# Altium PCB CABLE_JIG_TEST_PCB.PcbDoc (part 1 of 4) (continued)
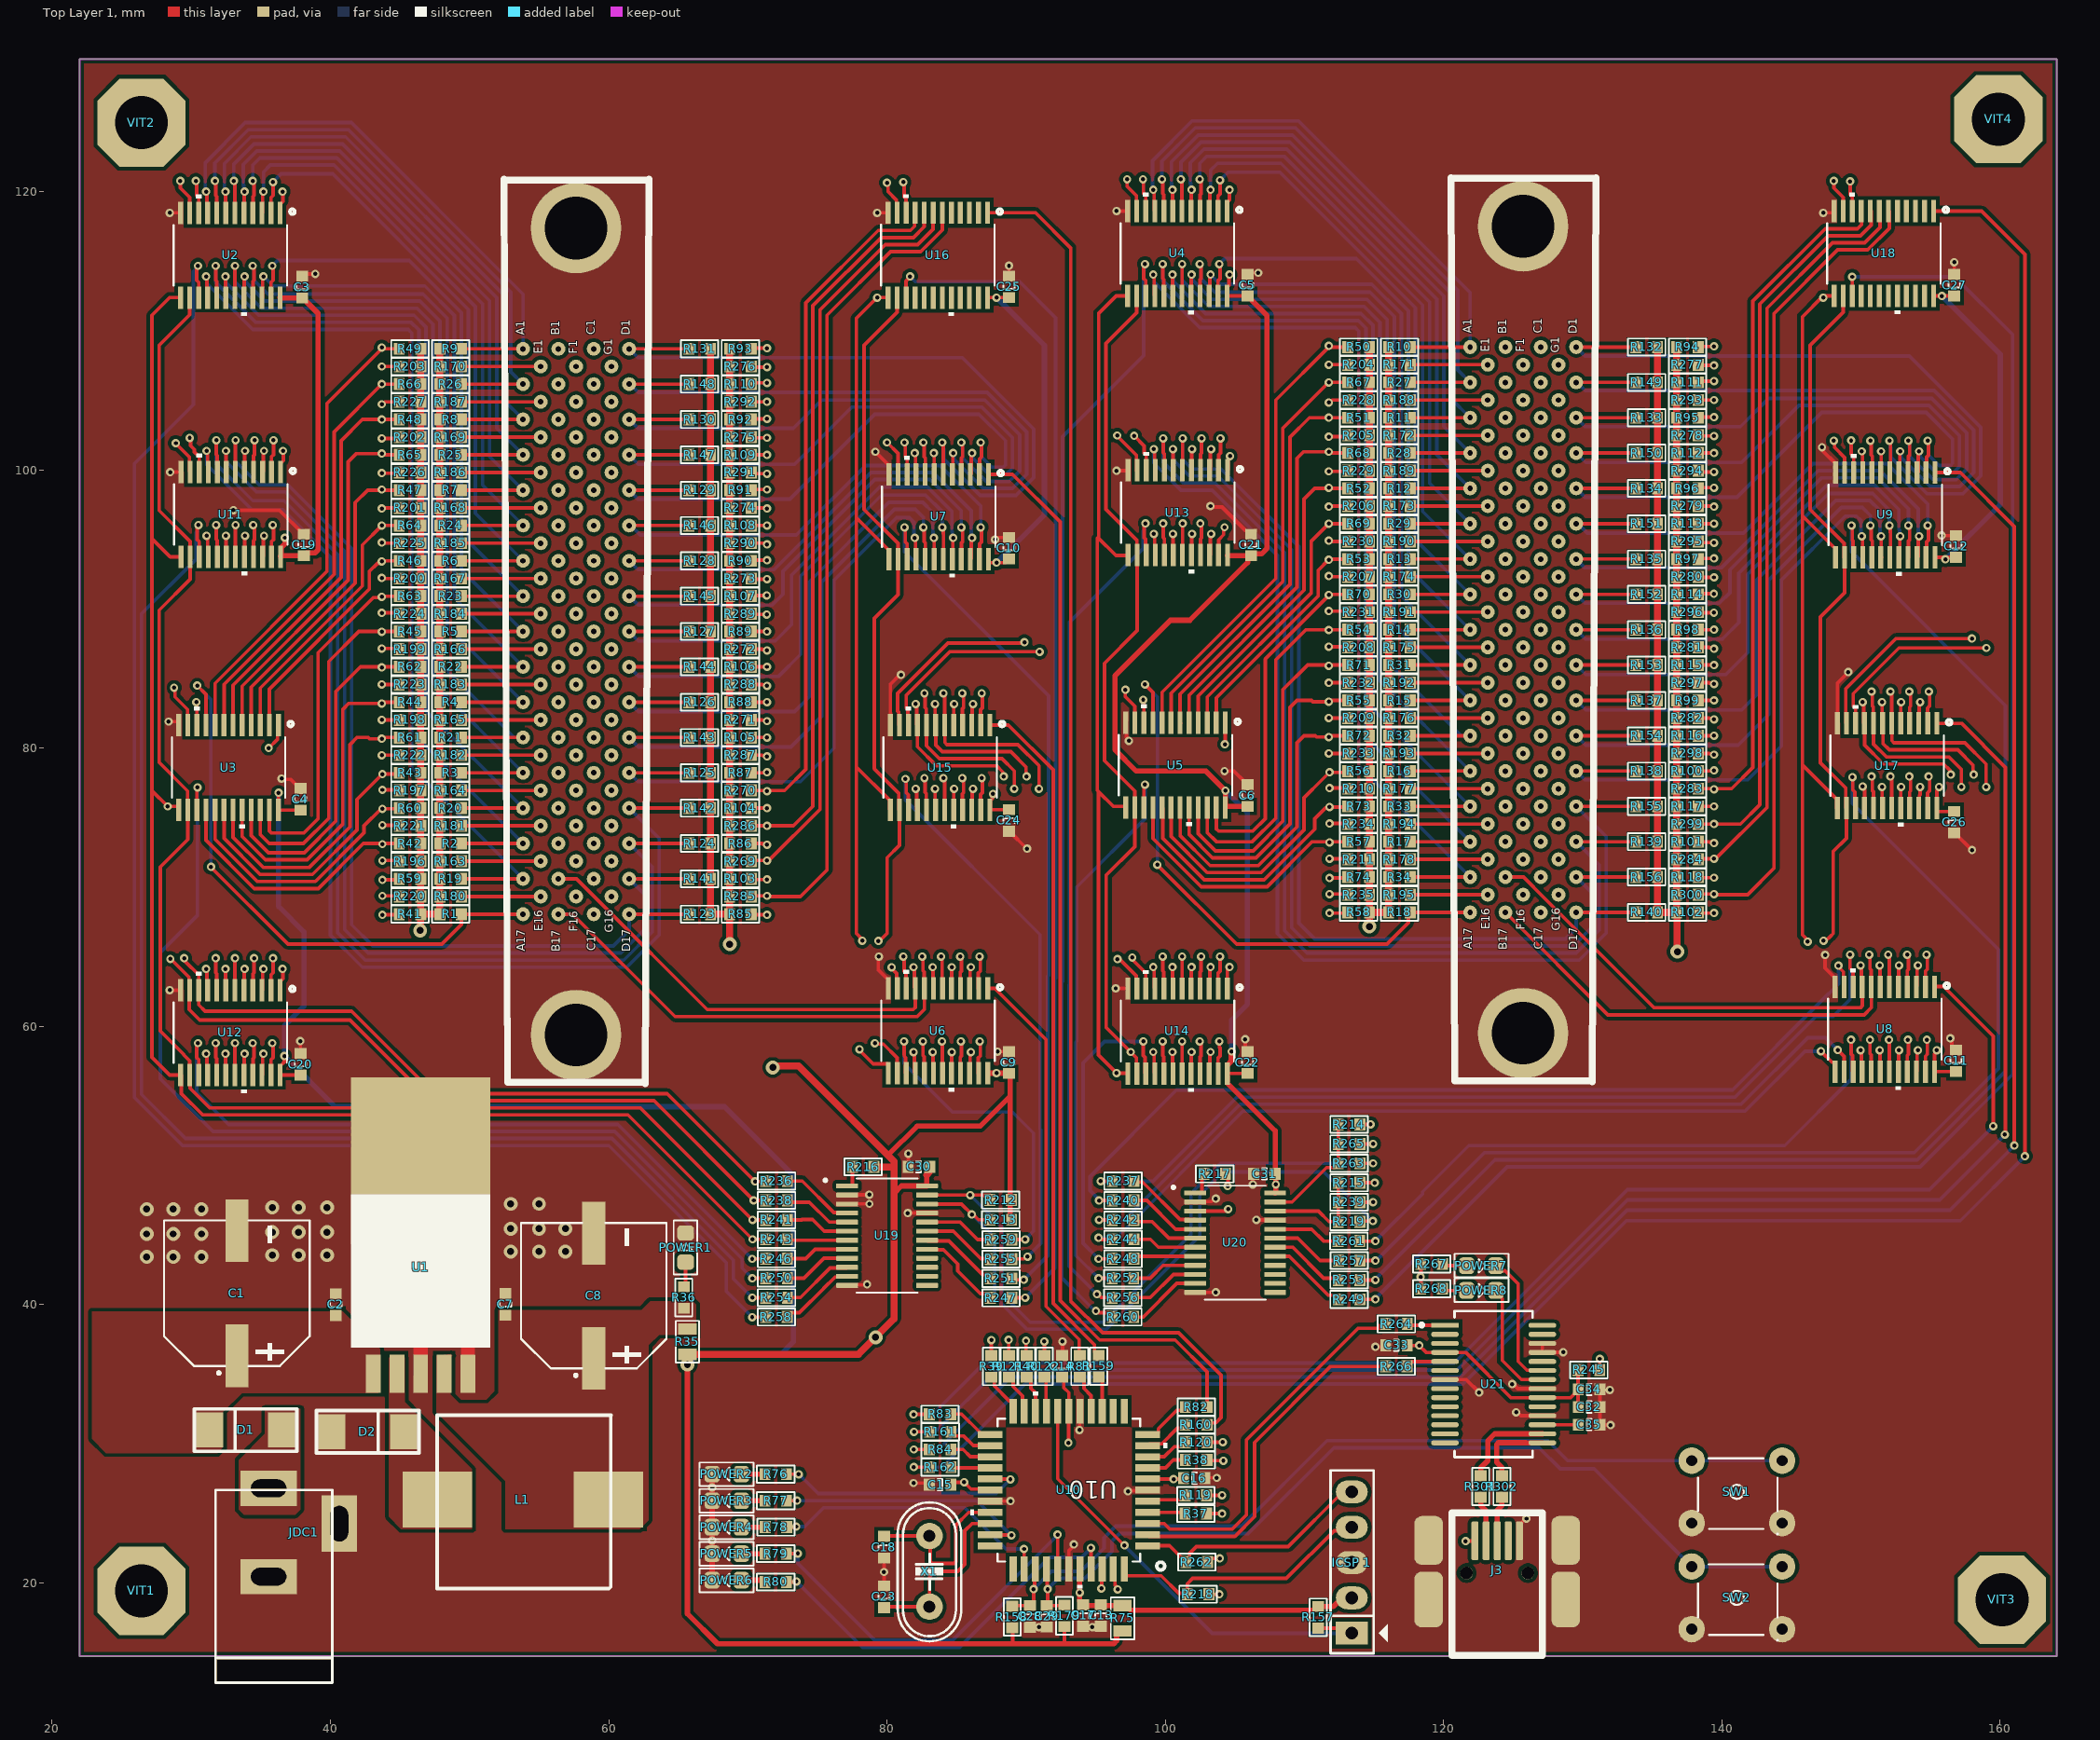
[diagram p0: Top Layer 1 view]
## Components (designator, comment, footprint, x,y, rotation, side; value= is the part's Value field where it differs from the comment) (continued)

## Footprints (in the part's own frame and the unit in brackets; to place one, negate y for a bottom-side part, rotate by r counter-clockwise, add the part's x,y. Pads: shape width x height; smd on the part's side, far side on the other; paste and mask are expansions set on the pad)
C0603N [mil] "Footprint 1.55x0.85x0.45mm"
  rect 31x34 smd: 1(-30.5,0) 2(30.5,0)
  silkscreen extent -6,-16 7,16, body extent -31,-16 31,16, height 24
Cap_SMD_10x10.5mm [mm]
  rect 4.5x1.65 smd paste+0 mask+0.051: 1(-4.5,0) 2(4.5,0)
  silkscreen extent -5.83,-5.23 5.23,5.23, body extent -5.55,-5.15 5.55,5.15, height 10.5
CNN_CABLE_116PINS [mm]
  round 1 hole 0.4: A1(-20.32,2.54) A2(-17.78,2.54) A3(-15.24,2.54) A4(-12.7,2.54) A5(-10.16,2.54) A6(-7.62,2.54) A7(-5.08,2.54) A8(-2.54,2.54) A9(0,2.54) A10(2.54,2.54) A11(5.08,2.54) A12(7.62,2.54) A13(10.16,2.54) A14(12.7,2.54) A15(15.24,2.54) A16(17.78,2.54) A17(20.32,2.54) B1(-20.32,0) B2(-17.78,0) B3(-15.24,0) B4(-12.7,0) B5(-10.16,0) B6(-7.62,0) B7(-5.08,0) B8(-2.54,0) B9(0,0) B10(2.54,0) B11(5.08,0) B12(7.62,0) B13(10.16,0) B14(12.7,0) B15(15.24,0) B16(17.78,0) B17(20.32,0) C1(-20.32,-2.54) C2(-17.78,-2.54) C3(-15.24,-2.54) C4(-12.7,-2.54) C5(-10.16,-2.54) C6(-7.62,-2.54) C7(-5.08,-2.54) C8(-2.54,-2.54) C9(0,-2.54) C10(2.54,-2.54) C11(5.08,-2.54) C12(7.62,-2.54) C13(10.16,-2.54) C14(12.7,-2.54) C15(15.24,-2.54) C16(17.78,-2.54) C17(20.32,-2.54) D1(-20.32,-5.08) D2(-17.78,-5.08) D3(-15.24,-5.08) D4(-12.7,-5.08) D5(-10.16,-5.08) D6(-7.62,-5.08) D7(-5.08,-5.08) D8(-2.54,-5.08) D9(0,-5.08) D10(2.54,-5.08) D11(5.08,-5.08) D12(7.62,-5.08) D13(10.16,-5.08) D14(12.7,-5.08) D15(15.24,-5.08) D16(17.78,-5.08) D17(20.32,-5.08) E1(-19.049,1.27) E2(-16.509,1.27) E3(-13.969,1.27) E4(-11.429,1.27) E5(-8.889,1.27) E6(-6.349,1.27) E7(-3.809,1.27) E8(-1.269,1.27) E9(1.271,1.27) E10(3.811,1.27) E11(6.351,1.27) E12(8.891,1.27) E13(11.431,1.27) E14(13.971,1.27) E15(16.511,1.27) E16(19.051,1.27) F1(-19.049,-1.27) F2(-16.509,-1.27) F3(-13.969,-1.27) F4(-11.429,-1.27) F5(-8.889,-1.27) F6(-6.349,-1.27) F7(-3.809,-1.27) F8(-1.269,-1.27) F9(1.271,-1.27) F10(3.811,-1.27) F11(6.351,-1.27) F12(8.891,-1.27) F13(11.431,-1.27) F14(13.971,-1.27) F15(16.511,-1.27) F16(19.051,-1.27) G1(-19.049,-3.81) G2(-16.509,-3.81) G3(-13.969,-3.81) G4(-11.429,-3.81) G5(-8.889,-3.81) G6(-6.349,-3.81) G7(-3.809,-3.81) G8(-1.269,-3.81) G9(1.271,-3.81) G10(3.811,-3.81) G11(6.351,-3.81) G12(8.891,-3.81) G13(11.431,-3.81) G14(13.971,-3.81) G15(16.511,-3.81) G16(19.051,-3.81)
  round 6.5 hole 4.5: HOLE1(29,-1.27) HOLE2(-29,-1.27)
DC-IN [mil] "Jac DC input"
  rect 100x160 hole 50 slot 100 at 90 deg: 1(125,100) 2(-125,100)
  rect 160x100 hole 50 slot 100 at 0 deg: 3(25,-100)
  silkscreen extent -425,-80 120,250, body extent -410,-105 134,269, height 434
"DO214 SMA" [mm] "DO214 SMA"
  rect 2x2.5 smd: A(1.838,0) K(-3.362,0)
  silkscreen extent -4.44,-1.52 2.92,1.52, body extent -3.36,-1.3 1.84,1.3, height 2.4
FP-SSOP-28-MFG [mm]
  rect 2x0.35 smd paste+0 mask+0: 1(-3.5,4.225)
  rrect100% 2x0.35 smd paste+0 mask+0: 2(-3.5,3.575) 3(-3.5,2.925) 4(-3.5,2.275) 5(-3.5,1.625) 6(-3.5,0.975) 7(-3.5,0.325) 8(-3.5,-0.325) 9(-3.5,-0.975) 10(-3.5,-1.625) 11(-3.5,-2.275) 12(-3.5,-2.925) 13(-3.5,-3.575) 14(-3.5,-4.225) 15(3.5,-4.225) 16(3.5,-3.575) 17(3.5,-2.925) 18(3.5,-2.275) 19(3.5,-1.625) 20(3.5,-0.975) 21(3.5,-0.325) 22(3.5,0.325) 23(3.5,0.975) 24(3.5,1.625) 25(3.5,2.275) 26(3.5,2.925) 27(3.5,3.575) 28(3.5,4.225)
  silkscreen extent -5.3,-5.25 2.8,5.25, body extent -4.6,-5.55 4.6,5.55, height 0.25
IND_SMD_12.5x12.5 [mm] "inductor"
  rect 5x4 smd: 1(-6.045,-0.813) 2(6.248,-0.813)
  silkscreen extent -6.07,-7.21 6.45,5.26, body extent -6.02,-7.24 6.48,5.26, height 7.5
JP5 [mil] "JP5"
  rect 65x90 hole 36: 1(-200,0)
  oval 65x90 hole 36: 2(-100,0) 3(0,0) 4(100,0) 5(200,0)
  silkscreen extent -257,-101 261,60, body extent -248,-53 248,45, height 323
"LED 0805" [mm] "Compoment SMD 80x50mil"
  rrect50% 1.1x1.2 smd: 1(-1.05,0) 2(1.05,0)
  silkscreen extent -1.96,-0.86 1.93,0.84, body extent -1.01,-0.62 1.01,0.63, height 1.1
MOLX-67503-1020_V [mm] "Mini USB Connector, SMT, Righer Angle"
  rrect50% 2.8x0.5 smd: 1(0,0) 2(0,-0.8) 3(0,-1.6) 4(0,-2.4) 5(0,-3.2)
  rrect50% 3.5x2.05 smd: 6(0.025,3.325) 8(0.025,-6.525)
  rrect50% 4x2.05 smd: 7(-4.225,3.325) 9(-4.225,-6.525)
  round 0.9 hole 0.9 unplated: X(-2.325,-3.8) Y(-2.325,0.6)
  silkscreen extent -8.25,-4.85 2,1.65, body extent -8.22,-6.56 0.78,3.34, height 3.95
R0603N [mil] "Footprint 1.55x0.85x0.45mm"
  rect 31x34 smd: 1(-30.5,0) 2(30.5,0)
  silkscreen extent -53,-24 53,24, body extent -31,-16 31,16, height 18
R0805N [mil] "Footprint 2.0x1.2x0.45mm"
  rect 32x52 smd: 1(-36,0) 2(36,0)
  silkscreen extent -59,-33 59,33, body extent -39,-24 39,24, height 24
SOP65P640X120-24N [mm]
  rrect25% 1.57x0.35 smd: 1(-2.87,3.575) 2(-2.87,2.925) 3(-2.87,2.275) 4(-2.87,1.625) 5(-2.87,0.975) 6(-2.87,0.325) 7(-2.87,-0.325) 8(-2.87,-0.975) 9(-2.87,-1.625) 10(-2.87,-2.275) 11(-2.87,-2.925) 12(-2.87,-3.575) 13(2.87,-3.575) 14(2.87,-2.925) 15(2.87,-2.275) 16(2.87,-1.625) 17(2.87,-0.975) 18(2.87,-0.325) 19(2.87,0.325) 20(2.87,0.975) 21(2.87,1.625) 22(2.87,2.275) 23(2.87,2.925) 24(2.87,3.575)
  silkscreen extent -4.54,-4.1 2.2,4.1, body extent -3.2,-3.9 3.2,3.9, height 1.2
SW4 [mm] "SW button 4pin, 250 x250 mil"
  round 1.905 hole 0.787: 1(-3.25,2.25) 2(3.25,-2.25) 3(3.25,2.25) 4(-3.25,-2.25)
  silkscreen extent -2.79,-3.05 2.92,2.41, body extent -4.08,-3.17 3.82,3.03, height 7
TO263-5 [mm] "LM2576-SMD"
  rect 1.07x2.75 smd: 1(-3.4,-0.025) 2(-1.7,-0.025) 3(0,-0.025) 4(1.7,-0.025) 5(3.4,-0.025)
  rect 10x12 smd: 3(0,15.289)
  silkscreen extent -5,1.85 5,12.88, body extent -5,-0.38 5,15.29, height 4.79
TQFP44_MC_MCH-M [mil]
  rect 70x20 smd paste+0 mask+0: 1(-223.22,157.48) 2(-223.22,125.98) 3(-223.22,94.49) 4(-223.22,62.99) 5(-223.22,31.5) 6(-223.22,0) 7(-223.22,-31.5) 8(-223.22,-62.99) 9(-223.22,-94.49) 10(-223.22,-125.98) 11(-223.22,-157.48) 23(223.22,-157.48) 24(223.22,-125.98) 25(223.22,-94.49) 26(223.22,-62.99) 27(223.22,-31.5) 28(223.22,0) 29(223.22,31.5) 30(223.22,62.99) 31(223.22,94.49) 32(223.22,125.98) 33(223.22,157.48)
  rect 20x70 smd paste+0 mask+0: 12(-157.48,-223.22) 13(-125.98,-223.22) 14(-94.49,-223.22) 15(-62.99,-223.22) 16(-31.5,-223.22) 17(0,-223.22) 18(31.5,-223.22) 19(62.99,-223.22) 20(94.49,-223.22) 21(125.98,-223.22) 22(157.48,-223.22) 34(157.48,223.22) 35(125.98,223.22) 36(94.49,223.22) 37(62.99,223.22) 38(31.5,223.22) 39(0,223.22) 40(-31.5,223.22) 41(-62.99,223.22) 42(-94.49,223.22) 43(-125.98,223.22) 44(-157.48,223.22)
  silkscreen extent -278,-278 278,278, body extent -236,-236 236,236, height 47
TSSOP24_SOT355-1_NEX-M [mm]
  rect 1.604x0.355 smd paste+0 mask+0: 1(-3.05,3.575) 2(-3.05,2.925) 3(-3.05,2.275) 4(-3.05,1.625) 5(-3.05,0.975) 6(-3.05,0.325) 7(-3.05,-0.325) 8(-3.05,-0.975) 9(-3.05,-1.625) 10(-3.05,-2.275) 11(-3.05,-2.925) 12(-3.05,-3.575) 13(3.05,-3.575) 14(3.05,-2.925) 15(3.05,-2.275) 16(3.05,-1.625) 17(3.05,-0.975) 18(3.05,-0.325) 19(3.05,0.325) 20(3.05,0.975) 21(3.05,1.625) 22(3.05,2.275) 23(3.05,2.925) 24(3.05,3.575)
  silkscreen extent -4.36,-4.08 4.36,4.63, body extent -3.3,-3.95 3.3,3.95, height 1.09
VIT [mm] "VIT"
  oct 6.35x6.35 hole 3.81: VIT1(0,0)
XT2 [mil] "Footpin for Crystal 2 pin"
  round 75 hole 34: 1(-100,0) 2(100,0)
  silkscreen extent -198,-90 195,90, body extent -233,-93 213,90, height 138

## Part data
C1 C8: library part CAP_SMD
C2 C7 C13 C14 C15 C16 C17 C18 C23 C32 C33 C34 C35: library part 239, "CAP CER 22UF 10V X5R 0603", Package=0603, Voltage=50V, Packaging="Tape and Reel", Process Type=SMT, Type=CAP
C3 C4 C5 C6 C9 C10 C11 C12 C19 C20 C21 C22 C24 C25 C26 C27 C28 C29 C30 C31: library part 239, "CAP CER 22UF 10V X5R 0603", Package=0603, Packaging="Tape and Reel", Process Type=SMT, Type=CAP
D1 D2: library part "Diode 1N5822", "SS34 1N5822"
"ICSP 1": library part 3-644456-5, "CONN  WIRE-BOARD 5 POSITION, 2.54 mm", Manufacturer 1="TE CONNECTIVITY / AMP", Supplier Part Number 1=1374535, ComponentLink1Description=http://www.farnell.com/datasheets/1654097.pdf, ComponentLink1URL=http://www.farnell.com/datasheets/1654097.pdf, ComponentLink2Description=http://www.farnell.com/cad/1649959.pdf, ComponentLink2URL=http://www.farnell.com/cad/1649959.pdf, ComponentLink3Description=http://www.farnell.com/datasheets/1926653.pdf, ComponentLink3URL=http://www.farnell.com/datasheets/1926653.pdf, Contact Plating="Tin Plated Contacts", Contact Termination Type="Through Hole", Description 1="TE CONNECTIVITY / AMP - 3-644456-5 - WIRE-BOARD CONNECTOR HEADER, 5 POSITION, 0.1IN", Gender=Header, Manufacturer Part Number 1=3-644456-5, No. of Contacts=5, No. of Rows=1, Pitch Spacing=2.54, Pricing 1="1=0.244, 10=0.237, 100=0.21, 500=0.205, 1000=0.197, 2000=0.191 (GBP)", Product Range="MTA-100 Series", RoHS 1=YES, Stock 1=4874, Supplier 1=Farnell
J3: library part CNN_67503-1020, "USB, MINI, SMD, RA KME04-USBMU03A01", Manufacturer=Molex, ComponentLink1Description="Manufacturer URL", ComponentLink1URL=http://www.molex.com/, ComponentLink2Description=Datasheet, ComponentLink2URL=http://www.molex.com/pdm_docs/sd/675031020_sd.pdf, DatasheetVersion="Rev F, 06/2009", Mounting Technology="Surface Mount", PackageDescription="Mini USB Connector, SMT, Righer Angle", PackageReference=67503-1020, PartNumber=67503-1020, Terminal Pitch="0.8 mm"
JDC1: "CLIFF ELECTRONIC COMPONENTS - DC10A - SOCKET, PCB, DC POWER, 2.1MM, PK10", Current Rating=5, Manufacturer 1="CLIFF ELECTRONIC COMPONENTS", Operating Temperature Max=80, Operating Temperature Min=-20, Supplier Part Number 1=224959, Voltage Rating=12, ComponentLink1Description=http://www.farnell.com/datasheets/317160.pdf, ComponentLink1URL=http://www.farnell.com/datasheets/317160.pdf, Connector Mounting="PCB Mount", Contact Termination=Solder, Contact Termination Type=Solder, Description 1="CLIFF ELECTRONIC COMPONENTS - DC10A - SOCKET, PCB, DC POWER, 2.1MM, PK10", External Depth=14.6, External Length / Height=11, External Width=9, Gender=Receptacle, Manufacturer Part Number 1=DC10A, Mounting Type="PCB Through Hole", Pricing 1="10=0.657, 100=0.589, 250=0.538, 500=0.516, 1000=0.502 (GBP)", Product Range="DC Series", RoHS 1=YES, Stock 1=2465, Supplier 1=Farnell, SVHC="No SVHC (15-Jun-2015)", Termination Method="Solder<!--FANDB--><div class=\"features-and-benefits-container\"></div>"
L1: library part Inductor, "Inductor"
POWER1 POWER2 POWER3 POWER4 POWER5 POWER6 POWER7 POWER8: library part 150080SS75000, "LED, 0805, RED, 0805", Manufacturer 1="WURTH ELEKTRONIK", Supplier Part Number 1=2322078, ComponentLink1Description=http://www.farnell.com/datasheets/1911351.pdf, ComponentLink1URL=http://www.farnell.com/datasheets/1911351.pdf, Description 1="WURTH ELEKTRONIK - 150080SS75000 - LED, 0805, SUP RED, 60MCD, 630NM", Manufacturer Part Number 1=150080SS75000, Pricing 1="1=0.114, 50=0.0994, 100=0.0849, 500=0.0765, 2000=0.0683, 4000=0.0612, 20000=0.0589, 40000=0.0574 (GBP)", RoHS 1=YES, Stock 1=1235, Supplier 1=Farnell
R1 R2 R3 R4 R5 R6 R7 R8 R9 R10 R11 R12 R13 R14 R15 R16 R17 R18 R19 R20 R21 R22 R23 R24 R25 R26 R27 R28 R29 R30 R31 R32 R33 R34 R36 R37 R38 R39 R40 R41 R42 R43 R44 R45 R46 R47 R48 R49 R50 R51 R52 R53 R54 R55 R56 R57 R58 R59 R60 R61 R62 R63 R64 R65 R66 R67 R68 R69 R70 R71 R72 R73 R74 R76 R77 R78 R79 R80 R81 R82 R83 R84 R85 R86 R87 R88 R89 R90 R91 R92 R93 R94 R95 R96 R97 R98 R99 R100 R101 R102 R103 R104 R105 R106 R107 R108 R109 R110 R111 R112 R113 R114 R115 R116 R117 R118 R119 R120 R121 R122 R123 R124 R125 R126 R127 R128 R129 R130 R131 R132 R133 R134 R135 R136 R137 R138 R139 R140 R141 R142 R143 R144 R145 R146 R147 R148 R149 R150 R151 R152 R153 R154 R155 R156 R157 R158 R159 R160 R161 R162 R163 R164 R165 R166 R167 R168 R169 R170 R171 R172 R173 R174 R175 R176 R177 R178 R179 R180 R181 R182 R183 R184 R185 R186 R187 R188 R189 R190 R191 R192 R193 R194 R195 R196 R197 R198 R199 R200 R201 R202 R203 R204 R205 R206 R207 R208 R209 R210 R211 R212 R213 R214 R215 R216 R217 R218 R219 R220 R221 R222 R223 R224 R225 R226 R227 R228 R229 R230 R231 R232 R233 R234 R235 R236 R237 R238 R239 R240 R241 R242 R243 R244 R245 R246 R247 R248 R249 R250 R251 R252 R253 R254 R255 R256 R257 R258 R259 R260 R261 R262 R263 R264 R265 R266 R267 R268 R269 R270 R271 R272 R273 R274 R275 R276 R277 R278 R279 R280 R281 R282 R283 R284 R285 R286 R287 R288 R289 R290 R291 R292 R293 R294 R295 R296 R297 R298 R299 R300 R301 R302: library part 71, "RES 0 OHM JUMPER 1/16W 0603", Package=0603, Power Rating=1/16W, Tolerance=Jumper, Packaging="Tape and Reel", Process Type=SMT, Type=RES
  R219 R263: NI_MARK=NI
R35 R75: library part 71, "RES 0 OHM JUMPER 1/16W 0603", Package=0805, Power Rating=1/16W, Tolerance=Jumper, Packaging="Tape and Reel", Process Type=SMT, Type=RES
SW1 SW2: library part SW4, "Switch button 4 pin"
U2 U3 U4 U5 U6 U7 U8 U9 U11 U12 U13 U14 U15 U16 U17 U18: "Description", Manufacturer_Name=Nexperia, Copyright="Copyright (C) 2025 Ultra Librarian. All rights reserved.", Manufacturer_Part_Number=74HC4067PW,118, RefDes=RefDes, Type=Type
U10: "MICROCHIP - DSPIC30F4011-30I/PT - DSC, 32BIT, 120MHZ, 48KB, 5.5V, TQFP-44", Manufacturer 1=MICROCHIP, Supplier Part Number 1=2315935, ComponentLink1Description=http://bcove.me/sxutsrzp, ComponentLink1URL=http://bcove.me/sxutsrzp, ComponentLink2Description=http://www.farnell.com/datasheets/1669385.pdf, ComponentLink2URL=http://www.farnell.com/datasheets/1669385.pdf, Description 1="MICROCHIP - DSPIC30F4011-30I/PT - DSC, 32BIT, 120MHZ, 48KB, 5.5V, TQFP-44", Manufacturer Part Number 1=DSPIC30F4011-30I/PT, Pricing 1="1=4.37, 10=3.3, 100=3.01 (GBP)", RoHS 1=YES, Stock 1=229, Supplier 1=Farnell
U19 U20: "16-bit 2.3- to 5.5-V I2C/SMBus I/O expander with interrupt, weak pull-up & config registers", Package="TSSOP-24 Texas Instruments", Check_prices=https://www.snapeda.com/parts/PCA9555PW/Texas+Instruments/view-part/?ref=eda, MF="Texas Instruments", MP=PCA9555PW, SnapEDA_Link=https://www.snapeda.com/parts/PCA9555PW/Texas+Instruments/view-part/?ref=snap
U21: library part FT232RL, "IC USB FS SERIAL UART 28-SSOP", Case/Package=SSOP, Max Operating Temperature=85°C, Max Supply Voltage=5.25V, Min Operating Temperature=-40°C, Min Supply Voltage=3.3V, Operating Supply Current=15mA, Package Quantity=2000, Voltage=5V, Data Rate=12Mbps, Height=1.75mm, Interface=UART, Lead Free="Lead Free", Length=10.2mm, Mount="Surface Mount", Number of Channels=1, Number of Pins=28, Number of Transceivers=1, Packaging="Tape and Reel", Radiation Hardening=No, REACH SVHC="No SVHC", Weight=0.080001oz, Width=5.3mm
VIT1 VIT2 VIT3 VIT4: library part VIT, "Oc Vit"
X1: library part FOXSLF/073-20, "CRYSTAL, 7.3728MHZ, 20PF", Crystal Case="Through Hole, 11.35mm x 4.65", Frequency=7.3728, Frequency Stability="± 50", Frequency Stability + / -=50, Frequency Tolerance + / -=30, Load Capacitance=20, Manufacturer 1="FOX ELECTRONICS", Operating Temperature Max=70, Operating Temperature Min=-20, Operating Temperature Range="-20°C to +70", Supplier Part Number 1=2063944, ComponentLink1Description=http://www.farnell.com/datasheets/1911270.pdf, ComponentLink1URL=http://www.farnell.com/datasheets/1911270.pdf, Crystal Mounting Type="Through Hole", Description 1="FOX ELECTRONICS - FOXSLF/073-20 - CRYSTAL, 7.3728MHZ, 20PF", Frequency Nom=7.3728, Manufacturer Part Number 1=FOXSLF/073-20, MSL="MSL 1 - Unlimited", No. of Pins=2, Pricing 1="1=0.36, 10=0.315, 100=0.254, 250=0.24, 500=0.214, 2000=0.15, 6000=0.142, 20000=0.139 (GBP)", Product Range=HC49, RoHS 1=YES, Stock 1=347, Supplier 1=Farnell, SVHC="No SVHC (15-Jun-2015)"

## Via types
v1: diameter 0.6, hole 0.3, Top Layer 1 to Bottom Layer 1, 556 vias
v2: diameter 1, hole 0.5, Top Layer 1 to Bottom Layer 1, 33 vias

## Nets (pads, with @x,y where several pads share a name; then routed paths per layer and width w, separated by ;. In a path a pad name is that pad's centre, name@x,y a point inside that pad or via, vN(x,y) a via of type N, cw(c..) or ccw(c..) an arc to the next point about the centre after c; other vN are vias at no path point)
+3V3: C35.1 U21.17 | length 2.6
  Top Layer 1 w0.254: U21.17@127.109,31.365 129.688,31.365 C35.1@129.692,31.369
+5VDC: C3.1 C4.1 C5.1 C6.1 C9.1 C10.1 C11.1 C12.1 C19.1 C20.1 C21.1 C22.1 C24.1 C25.1 C26.1 C27.1 C30.1 C31.1 J3.1 R1.2 R2.2 R3.2 R4.2 R5.2 R6.2 R7.2 R8.2 R9.2 R10.2 R11.2 R12.2 R13.2 R14.2 R15.2 R16.2 R17.2 R18.2 R19.2 R20.2 R21.2 R22.2 R23.2 R24.2 R25.2 R26.2 R27.2 R28.2 R29.2 R30.2 R31.2 R32.2 R33.2 R34.2 R35.1 R41.2 R42.2 R43.2 R44.2 R45.2 R46.2 R47.2 R48.2 R49.2 R50.2 R51.2 R52.2 R53.2 R54.2 R55.2 R56.2 R57.2 R58.2 R59.2 R60.2 R61.2 R62.2 R63.2 R64.2 R65.2 R66.2 R67.2 R68.2 R69.2 R70.2 R71.2 R72.2 R73.2 R74.2 R75.2 R85.2 R86.2 R87.2 R88.2 R89.2 R90.2 R91.2 R92.2 R93.2 R94.2 R95.2 R96.2 R97.2 R98.2 R99.2 R100.2 R101.2 R102.2 R103.2 R104.2 R105.2 R106.2 R107.2 R108.2 R109.2 R110.2 R111.2 R112.2 R113.2 R114.2 R115.2 R116.2 R117.2 R118.2 R123.2 R124.2 R125.2 R126.2 R127.2 R128.2 R129.2 R130.2 R131.2 R132.2 R133.2 R134.2 R135.2 R136.2 R137.2 R138.2 R139.2 R140.2 R141.2 R142.2 R143.2 R144.2 R145.2 R146.2 R147.2 R148.2 R149.2 R150.2 R151.2 R152.2 R153.2 R154.2 R155.2 R156.2 R158.2 R163.2 R164.2 R165.2 R166.2 R167.2 R168.2 R169.2 R170.2 R171.2 R172.2 R173.2 R174.2 R175.2 R176.2 R177.2 R178.2 R179.2 R180.2 R181.2 R182.2 R183.2 R184.2 R185.2 R186.2 R187.2 R188.2 R189.2 R190.2 R191.2 R192.2 R193.2 R194.2 R195.2 R196.2 R197.2 R198.2 R199.2 R200.2 R201.2 R202.2 R203.2 R204.2 R205.2 R206.2 R207.2 R208.2 R209.2 R210.2 R211.2 R212.1 R213.1 R214.1 R215.1 R216.2 R217.2 R220.2 R221.2 R222.2 R223.2 R224.2 R225.2 R226.2 R227.2 R228.2 R229.2 R230.2 R231.2 R232.2 R233.2 R234.2 R235.2 R245.2 R269.2 R270.2 R271.2 R272.2 R273.2 R274.2 R275.2 R276.2 R277.2 R278.2 R279.2 R280.2 R281.2 R282.2 R283.2 R284.2 R285.2 R286.2 R287.2 R288.2 R289.2 R290.2 R291.2 R292.2 R293.2 R294.2 R295.2 R296.2 R297.2 R298.2 R299.2 R300.2 U2.24 U3.24 U4.24 U5.24 U6.24 U7.24 U8.24 U9.24 U11.24 U12.24 U13.24 U14.24 U15.24 U16.24 U17.24 U18.24 U19.24 U20.3 U20.24 | length 1047.2
  Top Layer 1 w0.254: v1(36.272,76.797) 36.263,76.789 36.263,75.569 U3.24@36.255,75.561 36.264,75.552 C4.1@37.846,75.552 ; v1(36.695,57.879) 36.69,57.875 36.69,57.448 36.432,57.19 36.432,56.565 U12.24@36.382,56.515 36.395,56.502 C20.1@37.846,56.502 ; R49.2@46.453,108.754 R49.2@46.495,108.712 ; U16.24@87.229,112.309 87.229,112.346 87.277,112.395 v1(87.884,112.395) C25.1@88.773,112.395 ; U7.24@87.309,93.595 87.309,93.38 87.344,93.345 v1(87.884,93.345) 88.519,93.345 C10.1@88.773,93.599 ; v1(87.63,76.708) 87.564,76.642 87.564,76.369 87.445,76.251 87.445,75.626 87.397,75.578 C24.1@88.773,75.578 ; R158.2@89.005,16.77 89.034,16.741 89.034,15.621 ; R179.2@92.761,16.856 92.765,16.852 92.765,15.621 ; U20.3@102.159,46.725 102.165,46.731 104.295,46.731 104.427,46.863 v1(104.521,46.863) ; R217.2@104.339,49.397 104.521,49.215 v1@104.521,48.514 ; U14.24@104.46,56.621 104.469,56.629 C22.1@105.918,56.629 ; v1(104.624,114.042) 104.577,113.995 104.577,113.265 104.454,113.143 U4.24@104.454,112.518 105.909,112.518 C5.1@105.918,112.509 ; v1@104.779,58.122 v1(104.779,58.198) ; R215.1@113.991,48.762 113.997,48.768 v1(115.062,48.768) ; R214.1@113.991,52.953 114.802,52.953 v1@114.808,52.959 ; v1(121.595,23.003) 122.243,23.003 J3.1@122.266,23.026 ; R245.2@131.229,35.306 131.236,35.313 v1(131.236,36.106) ; U18.24@155.232,112.522 156.705,112.522 C27.1@156.718,112.509 ; U9.24@155.34,93.724 156.843,93.724 C12.1@156.845,93.726 ; v1(155.464,58.289) 155.464,58.195 155.298,58.029 U8.24@155.298,56.753 155.302,56.756 C11.1@156.845,56.756 ; v1(155.624,77.214) 155.624,77.12 155.467,76.963 U17.24@155.467,75.69 155.467,75.501 155.517,75.451 C26.1@156.718,75.451
  Top Layer 1 w0.381: U2.24@36.382,112.391 36.403,112.37 C3.1@37.973,112.37 38.011,112.37 39.116,111.265 39.116,94.267 38.893,94.043 38.303,94.043 C19.1@38.1,93.84 U11.24@36.467,93.84 ; U11.24@36.417,93.754 36.417,93.79 U11.24@36.467,93.84 ; v1(36.729,95.13) 36.729,94.691 36.467,94.429 U11.24@36.467,93.84 ; R35.1@65.659,36.424 v2(65.659,35.687) 65.659,17.78 67.818,15.621 89.034,15.621 92.765,15.621 96.291,15.621 96.514,15.844 96.514,16.322 96.73,16.538 R75.2@96.934,16.538 ; 80.073,50.736 82.169,52.832 86.706,52.832 88.865,54.991 ; 80.518,48.006 81.045,48.533 82.852,48.533 82.852,49.324 ; U6.24@87.242,56.638 87.246,56.642 v1(87.884,56.642) ; v1@87.888,56.638 87.892,56.642 88.76,56.642 C9.1@88.773,56.629 88.865,56.537 88.865,54.991 ; R212.1@88.949,47.518 R212.1@88.966,47.501 ; R213.1@89.004,46.062 R213.1@88.957,46.108 88.865,46.2 88.865,54.991 ; U5.24@104.323,75.732 104.329,75.738 U5.24@104.329,75.812 ; U5.24@104.323,75.806 U5.24@104.329,75.812 ; U14.24@104.46,56.621 104.46,55.941 107.907,52.494 C31.1@107.907,49.397 107.95,49.354 v1(107.95,48.641) 107.95,48.073 107.902,48.025 U20.24@107.899,48.025 ; U14.24@104.473,57.232 104.737,57.496 104.737,58.097 104.763,58.122 v1@104.779,58.122 ; U13.24@104.489,93.881 104.489,93.853 104.502,93.84 C21.1@106.134,93.84 ; C6.1@105.918,75.819 104.336,75.819 U5.24@104.329,75.812 ; C5.1@105.918,112.509 105.956,112.509 106.159,112.306 106.159,112.268 107.315,111.112 107.315,94.361 106.919,93.965 106.297,93.965 C21.1@106.172,93.84 C21.1@106.134,93.84 ; U5.24@104.329,75.812 104.329,76.944 v1(104.335,76.95) 102.926,78.359 97.917,78.359 96.392,79.884 96.392,85.216 100.381,89.205 101.778,89.205 105.931,93.358 105.931,93.637 C21.1@106.134,93.84
  Top Layer 1 w0.508: v2@46.482,66.929 46.495,66.942 R41.2@46.495,68.072 ; R49.2@46.495,108.712 R203.2@46.495,107.442 R66.2@46.495,106.172 R227.2@46.495,104.902 R48.2@46.495,103.632 R202.2@46.495,102.362 R65.2@46.495,101.092 R226.2@46.495,99.822 R47.2@46.495,98.552 R201.2@46.495,97.282 R64.2@46.495,96.012 R225.2@46.495,94.742 R46.2@46.495,93.472 R200.2@46.495,92.202 R63.2@46.495,90.932 R224.2@46.495,89.662 R45.2@46.495,88.392 R199.2@46.495,87.122 R62.2@46.495,85.852 R223.2@46.495,84.582 R44.2@46.495,83.312 R198.2@46.495,82.042 R61.2@46.495,80.772 R222.2@46.495,79.502 R43.2@46.495,78.232 R197.2@46.495,76.962 R60.2@46.495,75.692 R221.2@46.495,74.422 R42.2@46.495,73.152 R196.2@46.495,71.882 R59.2@46.495,70.612 R220.2@46.495,69.342 R41.2@46.495,68.072 ; R9.2@47.866,108.712 R170.2@47.866,107.442 R26.2@47.866,106.172 R187.2@47.866,104.902 R8.2@47.866,103.632 R169.2@47.866,102.362 R25.2@47.866,101.092 R186.2@47.866,99.822 R7.2@47.866,98.552 R168.2@47.866,97.282 R24.2@47.866,96.012 R185.2@47.866,94.742 R6.2@47.866,93.472 R167.2@47.866,92.202 R23.2@47.866,90.932 R184.2@47.866,89.662 R5.2@47.866,88.392 R166.2@47.866,87.122 R22.2@47.866,85.852 R183.2@47.866,84.582 R4.2@47.866,83.312 R165.2@47.866,82.042 R21.2@47.866,80.772 R182.2@47.866,79.502 R3.2@47.866,78.232 R164.2@47.866,76.962 R20.2@47.866,75.692 R181.2@47.866,74.422 R2.2@47.866,73.152 R163.2@47.866,71.882 R19.2@47.866,70.612 R180.2@47.866,69.342 R1.2@47.866,68.072 R41.2@46.495,68.072 ; R35.1@65.659,36.424 77.953,36.424 v2(79.189,37.66) 80.518,38.989 80.518,48.006 80.518,49.911 ; R131.2@67.31,108.712 R148.2@67.31,106.172 R130.2@67.31,103.632 R147.2@67.31,101.092 R129.2@67.31,98.552 R146.2@67.31,96.012 R128.2@67.31,93.472 R145.2@67.31,90.932 R127.2@67.31,88.392 R144.2@67.31,85.852 R126.2@67.31,83.312 R143.2@67.31,80.772 R125.2@67.31,78.232 R142.2@67.31,75.692 R124.2@67.31,73.152 R141.2@67.31,70.612 R123.2@67.31,68.072 R85.2@68.694,68.072 R285.2@68.694,69.342 R103.2@68.694,70.612 R269.2@68.694,71.882 R86.2@68.694,73.152 R286.2@68.694,74.422 R104.2@68.694,75.692 R270.2@68.694,76.962 R87.2@68.694,78.232 R287.2@68.694,79.502 R105.2@68.694,80.772 R271.2@68.694,82.042 R88.2@68.694,83.312 R288.2@68.694,84.582 R106.2@68.694,85.852 R272.2@68.694,87.122 R89.2@68.694,88.392 R289.2@68.694,89.662 R107.2@68.694,90.932 R273.2@68.694,92.202 R90.2@68.694,93.472 R290.2@68.694,94.742 R108.2@68.694,96.012 R274.2@68.694,97.282 R91.2@68.694,98.552 R291.2@68.694,99.822 R109.2@68.694,101.092 R275.2@68.694,102.362 R92.2@68.694,103.632 R292.2@68.694,104.902 R110.2@68.694,106.172 R276.2@68.694,107.442 R93.2@68.694,108.712 ; v2@68.695,65.917 R85.2@68.694,68.072 ; v2(71.794,57.057) 71.887,57.15 73.66,57.15 80.073,50.736 80.518,50.292 80.518,49.911 ; R216.2@79.066,49.905 79.121,49.96 79.121,49.905 80.512,49.905 80.518,49.911 ; 82.852,49.324 83.071,49.543 C30.1@83.071,49.911 ; v2(114.681,67.183) R58.2@114.681,68.199 ; R50.2@114.681,108.839 R204.2@114.681,107.569 R67.2@114.681,106.299 R228.2@114.681,105.029 R51.2@114.681,103.759 R205.2@114.681,102.489 R68.2@114.681,101.219 R229.2@114.681,99.949 R52.2@114.681,98.679 R206.2@114.681,97.409 R69.2@114.681,96.139 R230.2@114.681,94.869 R53.2@114.681,93.599 R207.2@114.681,92.329 R70.2@114.681,91.059 R231.2@114.681,89.789 R54.2@114.681,88.519 R208.2@114.681,87.249 R71.2@114.681,85.979 R232.2@114.681,84.709 R55.2@114.681,83.439 R209.2@114.681,82.169 R72.2@114.681,80.899 R233.2@114.681,79.629 R56.2@114.681,78.359 R210.2@114.681,77.089 R73.2@114.681,75.819 R234.2@114.681,74.549 R57.2@114.681,73.279 R211.2@114.681,72.009 R74.2@114.681,70.739 R235.2@114.681,69.469 R58.2@114.681,68.199 ; R10.2@116.065,108.839 R171.2@116.065,107.569 R27.2@116.065,106.299 R188.2@116.065,105.029 R11.2@116.065,103.759 R172.2@116.065,102.489 R28.2@116.065,101.219 R189.2@116.065,99.949 R12.2@116.065,98.679 R173.2@116.065,97.409 R29.2@116.065,96.139 R190.2@116.065,94.869 R13.2@116.065,93.599 R174.2@116.065,92.329 R30.2@116.065,91.059 R191.2@116.065,89.789 R14.2@116.065,88.519 R175.2@116.065,87.249 R31.2@116.065,85.979 R192.2@116.065,84.709 R15.2@116.065,83.439 R176.2@116.065,82.169 R32.2@116.065,80.899 R193.2@116.065,79.629 R16.2@116.065,78.359 R177.2@116.065,77.089 R33.2@116.065,75.819 R194.2@116.065,74.549 R17.2@116.065,73.279 R178.2@116.065,72.009 R34.2@116.065,70.739 R195.2@116.065,69.469 R18.2@116.065,68.199 R58.2@114.681,68.199 ; R132.2@135.382,108.839 R149.2@135.382,106.299 R133.2@135.382,103.759 R150.2@135.382,101.219 R134.2@135.382,98.679 R151.2@135.382,96.139 R135.2@135.382,93.599 R152.2@135.382,91.059 R136.2@135.382,88.519 R153.2@135.382,85.979 R137.2@135.382,83.439 R154.2@135.382,80.899 R138.2@135.382,78.359 R155.2@135.382,75.819 R139.2@135.382,73.279 R156.2@135.382,70.739 R140.2@135.382,68.199 R102.2@136.766,68.199 ; R94.2@136.766,108.839 R277.2@136.766,107.569 R111.2@136.766,106.299 R293.2@136.766,105.029 R95.2@136.766,103.759 R278.2@136.766,102.489 R112.2@136.766,101.219 R294.2@136.766,99.949 R96.2@136.766,98.679 R279.2@136.766,97.409 R113.2@136.766,96.139 R295.2@136.766,94.869 R97.2@136.766,93.599 R280.2@136.766,92.329 R114.2@136.766,91.059 R296.2@136.766,89.789 R98.2@136.766,88.519 R281.2@136.766,87.249 R115.2@136.766,85.979 R297.2@136.766,84.709 R99.2@136.766,83.439 R282.2@136.766,82.169 R116.2@136.766,80.899 R298.2@136.766,79.629 R100.2@136.766,78.359 R283.2@136.766,77.089 R117.2@136.766,75.819 R299.2@136.766,74.549 R101.2@136.766,73.279 R284.2@136.766,72.009 R118.2@136.766,70.739 R300.2@136.766,69.469 R102.2@136.766,68.199 ; v2(136.817,65.372) 136.791,65.397 136.791,68.174 R102.2@136.766,68.199
  Top Layer w0.381: v1(87.884,56.642) 92.202,60.96 92.202,67.818 87.63,72.39 v1(87.63,76.708) 87.63,79.502 87.884,79.756 v1(87.884,93.345) ; v1(155.464,58.289) 157.73,58.289 160.02,60.579 160.02,67.564 155.624,71.96 v1(155.624,77.214)
  Bottom Layer w0.254: v1(104.486,48.518) 104.517,48.518 105.664,47.371 ; v1(104.521,46.863) 104.567,46.909 105.202,46.909 105.664,47.371 ; 107.95,46.99 107.569,47.371 105.664,47.371 ; 111.76,52.832 111.896,52.968 v1(114.763,52.968) 114.829,52.902 115.119,52.902 116.205,51.816 116.205,49.911 v1(115.062,48.768) ; 121.412,38.481 121.539,38.354 128.988,38.354 v1(131.236,36.106)
  Bottom Layer w0.381: v1(36.272,76.797) 36.233,76.797 35.56,77.47 35.56,78.359 36.449,79.248 36.449,94.798 36.729,95.078 v1(36.729,95.13) ; v1(155.624,77.214) 155.624,78.755 158.437,81.568 158.437,85.654 156.086,88.005 v1(156.086,93.585)
  Bottom Layer w0.508: v2(46.448,66.895) 48.7,64.643 61.087,64.643 68.673,57.057 v2(71.794,57.057) 71.794,62.818 v2(68.696,65.916) ; v2(79.189,37.66) 80.781,36.068 101.981,36.068 107.95,42.037 ; v1(107.95,48.641) 107.95,46.99 107.95,42.037 ; v1(121.595,23.003) 121.595,23.028 121.412,23.211 121.412,27.305 121.412,38.481 121.412,48.768 111.76,58.42 ; v2(136.817,65.372) 133.096,65.372 ; v1(155.464,58.289) 155.446,58.271 155.446,58.206 155.439,58.199 155.439,57.141 154.868,56.57 154.432,56.134 142.334,56.134 133.096,65.372 ; 107.95,42.037 111.76,45.847 111.76,52.832 111.76,58.42 ; 111.76,58.42 111.76,64.262 v2(114.681,67.183) 116.492,65.372 133.096,65.372
  Bottom Layer 1 w0.381: v1(36.272,76.797) 36.272,68.63 38.1,66.802 38.1,61.468 36.695,60.063 v1(36.695,57.879) 40.345,54.229 68.326,54.229 73.279,49.276 73.279,37.338 72.386,36.445 66.417,36.445 v2(65.659,35.687) ; v1(87.884,93.345) 91.313,96.774 91.313,108.966 v1(87.884,112.395) ; v1(104.335,76.95) 105.918,75.367 105.918,61.595 104.779,60.456 v1(104.779,58.198) ; v1(155.823,112.51) 160.02,108.313 160.02,97.519 v1(156.086,93.585)
A1_ENABLE: R258.1 U2.15 | length 117.2
  Top Layer 1 w0.254: v1(30.48,114.677) 30.48,114.583 30.388,114.491 30.388,113.633 30.532,113.489 U2.15@30.532,112.391 ; v1(70.315,39.1) 71.271,39.1 R258.1@71.281,39.11
  Bottom Layer 1 w0.254: v1(30.48,114.677) 30.48,114.583 30.145,114.248 30.145,104.694 25.908,100.457 25.908,54.908 29.381,51.435 60.016,51.435 68.453,42.998 68.453,40.962 v1(70.315,39.1)
A1_Z_MCU: R37.1 U10.4 | length 2.7
  Top Layer 1 w0.254: U10.4@98.743,25.069 101.336,25.069 R37.1@101.425,24.979
A1Y0: J1.A1 R9.1 U2.9 | length 41.2
  Top Layer 1 w0.254: v1(31.069,120.015) 31.132,119.952 31.132,118.541 U2.9@31.182,118.491 ; R9.1@49.416,108.712 R9.1@49.416,108.712 J1.A1@53.848,108.713
  Bottom Layer 1 w0.254: v1(31.069,120.015) 31.012,120.072 31.012,122.107 33.873,124.968 41.51,124.968 53.848,112.63 J1.A1@53.848,108.713
A1Y1: J1.A2 R26.1 U2.8 | length 42.2
  Top Layer 1 w0.254: v1(31.693,120.777) 31.75,120.72 31.75,119.753 31.832,119.671 U2.8@31.832,118.491 ; R26.1@49.416,106.172 R26.1@49.416,106.172 J1.A2@53.848,106.173
  Bottom Layer 1 w0.254: v1(31.693,120.777) 31.693,122.07 34.083,124.46 41.3,124.46 52.967,112.793 52.967,107.054 J1.A2@53.848,106.173
A1Y2: J1.A3 R8.1 U2.7 | length 43.1
  Top Layer 1 w0.254: v1(32.451,120.015) 32.467,119.999 32.467,118.506 U2.7@32.482,118.491 ; R8.1@49.416,103.632 R8.1@49.416,103.632 J1.A3@53.848,103.633
  Bottom Layer 1 w0.254: v1(32.451,120.015) 32.385,120.081 32.385,120.484 32.374,120.495 32.374,122.032 34.294,123.952 41.089,123.952 52.459,112.582 52.459,105.022 J1.A3@53.848,103.633
A1Y3: J1.A4 R25.1 U2.6 | length 44.1
  Top Layer 1 w0.254: v1(33.055,120.777) 33.055,120.683 33.132,120.606 U2.6@33.132,118.491 ; R25.1@49.416,101.092 R25.1@49.416,101.092 J1.A4@53.848,101.093
  Bottom Layer 1 w0.254: v1(33.055,120.777) 33.055,121.995 34.504,123.444 40.879,123.444 51.951,112.372 51.951,102.99 J1.A4@53.848,101.093
A1Y4: J1.A5 R7.1 U2.5 | length 45.1
  Top Layer 1 w0.254: U2.5@33.782,118.491 33.805,118.514 33.805,119.992 v1(33.828,120.015) ; R7.1@49.416,98.552 R7.1@49.416,98.552 J1.A5@53.848,98.553
  Bottom Layer 1 w0.254: v1(33.828,120.015) 33.762,120.081 33.762,120.469 33.736,120.495 33.736,121.957 34.715,122.936 40.669,122.936 51.443,112.162 51.443,100.958 J1.A5@53.848,98.553
A1Y5: J1.A6 R24.1 U2.4 | length 46.1
  Top Layer 1 w0.254: v1(34.417,120.777) 34.417,120.683 34.509,120.591 34.509,119.733 34.432,119.656 U2.4@34.432,118.491 ; R24.1@49.416,96.012 R24.1@49.416,96.012 J1.A6@53.848,96.013
  Bottom Layer 1 w0.254: v1(34.417,120.777) 34.417,121.92 34.925,122.428 40.458,122.428 50.935,111.951 50.935,98.926 J1.A6@53.848,96.013
A1Y6: J1.A7 R6.1 U2.3 | length 46.8
  Top Layer 1 w0.254: U2.3@35.082,118.491 35.132,118.541 35.132,119.957 v1(35.19,120.015) ; R6.1@49.416,93.472 R6.1@49.416,93.472 J1.A7@53.848,93.473
  Bottom Layer 1 w0.254: v1(35.19,120.015) 35.19,121.423 35.687,121.92 40.248,121.92 50.427,111.741 50.427,96.894 J1.A7@53.848,93.473
A1Y7: J1.A8 R23.1 U2.2 | length 47.3
  Top Layer 1 w0.254: U2.2@35.732,118.491 35.732,119.594 35.871,119.733 v1(35.871,120.704) ; R23.1@49.416,90.932 R23.1@49.416,90.932 J1.A8@53.848,90.933
  Bottom Layer 1 w0.254: v1(35.871,120.704) 36.452,121.285 40.164,121.285 49.919,111.53 49.919,94.862 J1.A8@53.848,90.933
A1Y8: J1.A9 R5.1 U2.23 | length 46.9
  Top Layer 1 w0.254: U2.23@35.732,112.391 35.732,113.494 35.871,113.633 35.871,114.62 v1(35.814,114.677) ; R5.1@49.416,88.392 R5.1@49.416,88.392 J1.A9@53.848,88.393
  Bottom Layer 1 w0.254: v1(35.814,114.677) 36.199,115.062 45.669,115.062 49.411,111.32 49.411,92.83 J1.A9@53.848,88.393
A1Y9: J1.A10 R22.1 U2.22 | length 48.2
  Top Layer 1 w0.254: U2.22@35.082,112.391 35.132,112.441 35.132,113.858 v1(35.19,113.915) ; R22.1@49.416,85.852 R22.1@49.416,85.852 J1.A10@53.848,85.853
  Bottom Layer 1 w0.254: v1(35.19,113.915) 35.871,113.234 46.778,113.234 48.903,111.11 48.903,90.798 J1.A10@53.848,85.853
A1Y10: J1.A11 R4.1 U2.21 | length 52.7
  Top Layer 1 w0.254: v1(34.417,114.677) 34.417,114.583 34.509,114.491 34.509,113.633 34.432,113.556 U2.21@34.432,112.391 ; R4.1@49.416,83.312 R4.1@49.416,83.312 J1.A11@53.848,83.313
  Bottom Layer 1 w0.254: v1(34.417,114.677) 34.483,114.611 34.483,114.223 34.509,114.197 34.509,113.633 35.493,112.649 46.645,112.649 48.395,110.899 48.395,88.766 J1.A11@53.848,83.313
A1Y11: J1.A12 R21.1 U2.20 | length 54.3
  Top Layer 1 w0.254: U2.20@33.782,112.391 33.805,112.414 33.805,113.892 v1(33.828,113.915) ; R21.1@49.416,80.772 R21.1@49.416,80.772 J1.A12@53.848,80.773
  Bottom Layer 1 w0.254: v1(33.828,113.915) 33.894,113.849 33.894,113.529 35.283,112.141 46.435,112.141 47.879,110.697 47.879,86.106 53.212,80.773 J1.A12@53.848,80.773